# Altium PCB PCB_Poryecto0.PcbDoc (continued)
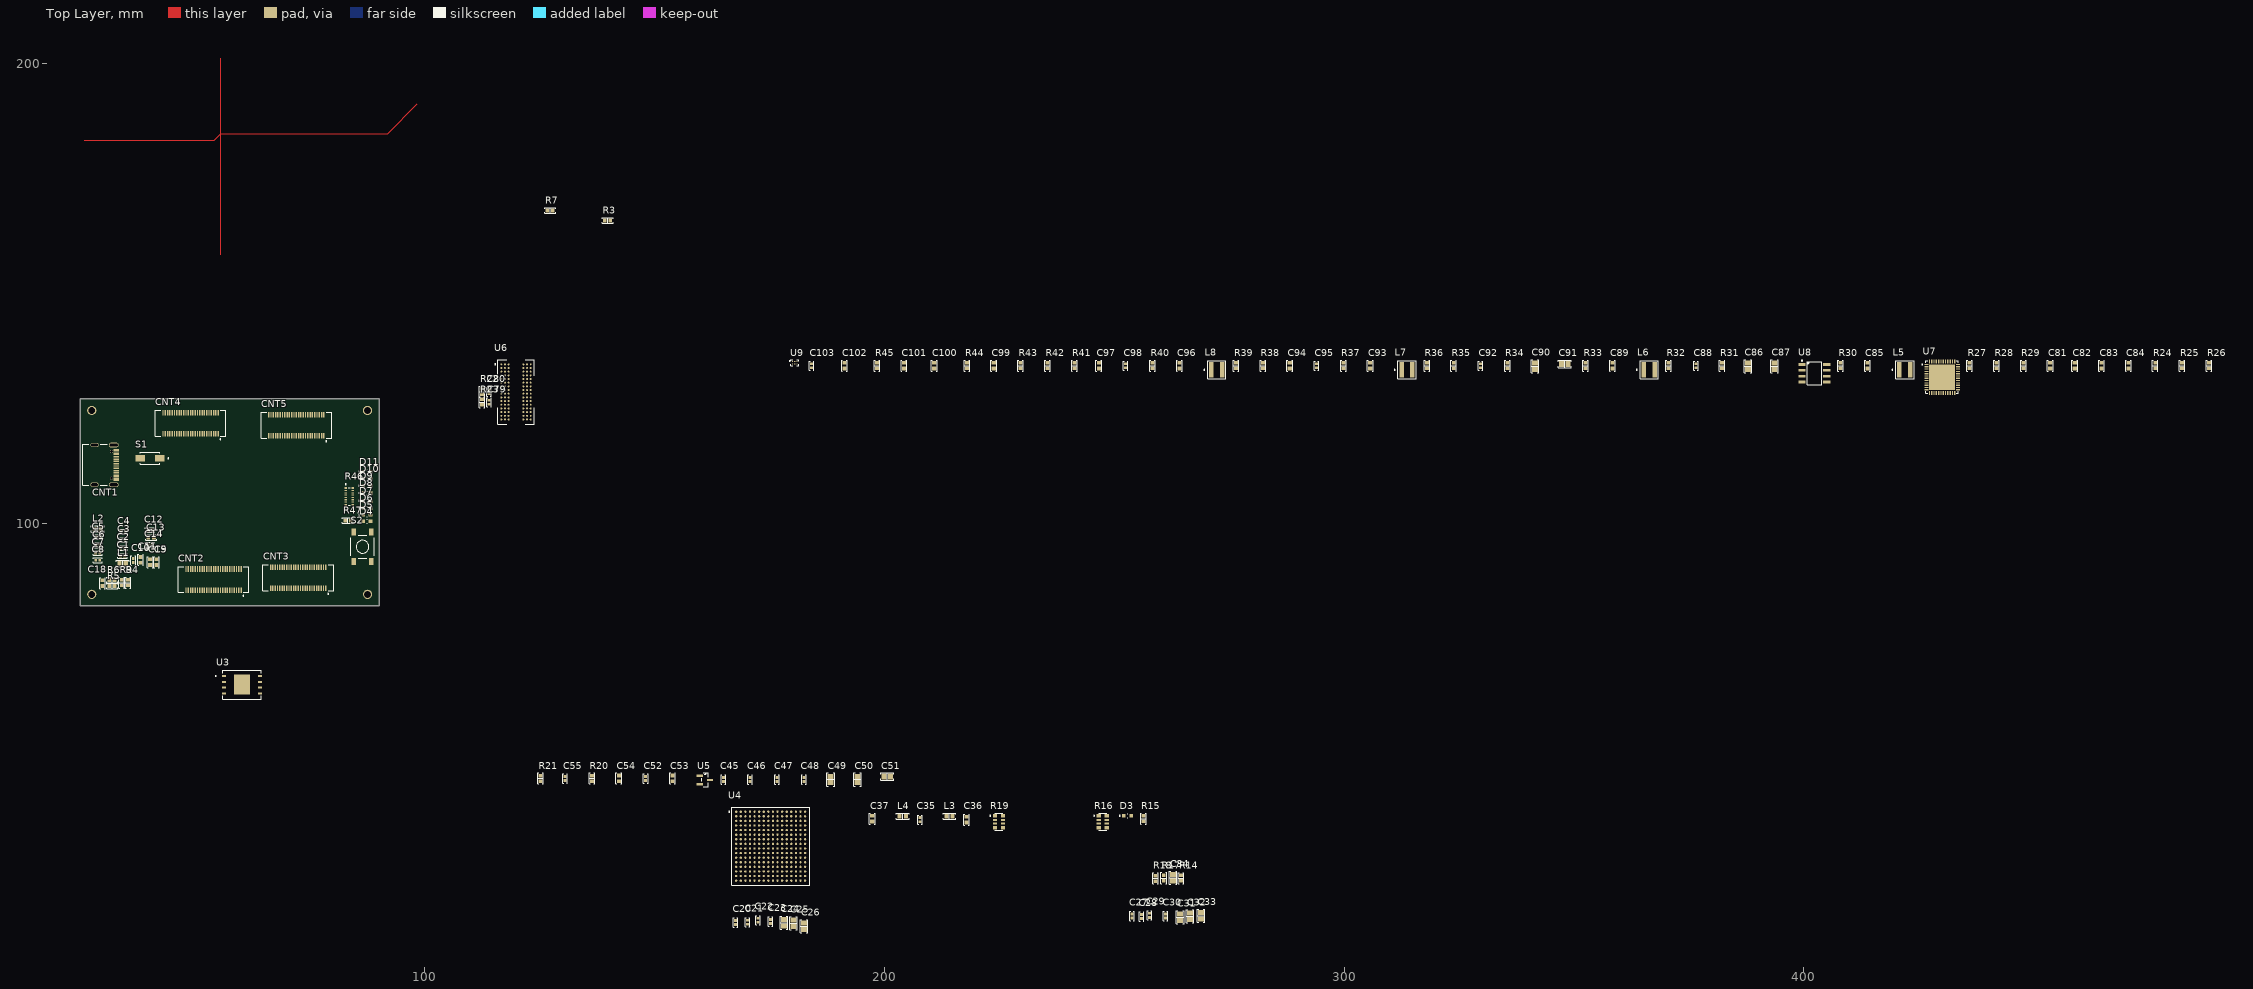
[diagram p0: Top Layer view]
## Footprints (in the part's own frame and the unit in brackets; to place one, negate y for a bottom-side part, rotate by r counter-clockwise, add the part's x,y. Pads: shape width x height; smd on the part's side, far side on the other; paste and mask are expansions set on the pad) (continued)
  silkscreen extent -9.1,-8.5 8.5,8.5, body extent -8.51,-8.49 8.49,8.51, height 1.4
CAP0402 [mm]
  rect 0.6x0.64 smd: 1(-0.44,0) 2(0.44,0)
  silkscreen extent -1,-0.5 1,0.5, body extent -0.5,-0.25 0.5,0.27, height 0.52
CAP0603 [mm]
  rect 0.8x0.9 smd: 1(-0.625,0) 2(0.625,0)
  silkscreen extent -1.2,-0.63 1.2,0.63, body extent -0.77,-0.41 0.83,0.41, height 0.82
CAP0805 [mm]
  rect 1.1x1.3 smd: 1(-0.7,0) 2(0.7,0)
  silkscreen extent -1.43,-0.82 1.43,0.82, body extent -1,-0.64 1,0.64, height 1.27
CAP1206 [mm]
  rect 1.3x1.8 smd: 1(-1.45,0) 2(1.45,0)
  silkscreen extent -2.37,-1.12 2.37,1.12, body extent -1.6,-0.8 1.6,0.8, height 0.8
DFN-8 [mm]
  rect 0.84x0.26 smd: 1(-1.435,0.75) 2(-1.435,0.25) 3(-1.435,-0.25) 4(-1.435,-0.75) 5(1.435,-0.75) 6(1.435,-0.25) 7(1.435,0.25) 8(1.435,0.75)
  rect 1.7x1.525 smd paste-0.312: 5(0,0)
  silkscreen extent -2.63,-1.2 1.5,1.2, body extent -1.52,-1 1.53,1, height 1
"Diode SMA-2" [mm]
  rect 2.12x1.5 smd: A(2.115,0) C(-2.115,0)
  silkscreen extent -4.1,-1.28 2.16,1.28, body extent -2.57,-1.28 2.57,1.28, height 2.5
FBGA-96 [mm]
  round 0.43 smd: A1(-3.2,6) A2(-2.4,6) A3(-1.6,6) A7(1.6,6) A8(2.4,6) A9(3.2,6) B1(-3.2,5.2) B2(-2.4,5.2) B3(-1.6,5.2) B7(1.6,5.2) B8(2.4,5.2) B9(3.2,5.2) C1(-3.2,4.4) C2(-2.4,4.4) C3(-1.6,4.4) C7(1.6,4.4) C8(2.4,4.4) C9(3.2,4.4) D1(-3.2,3.6) D2(-2.4,3.6) D3(-1.6,3.6) D7(1.6,3.6) D8(2.4,3.6) D9(3.2,3.6) E1(-3.2,2.8) E2(-2.4,2.8) E3(-1.6,2.8) E7(1.6,2.8) E8(2.4,2.8) E9(3.2,2.8) F1(-3.2,2) F2(-2.4,2) F3(-1.6,2) F7(1.6,2) F8(2.4,2) F9(3.2,2) G1(-3.2,1.2) G2(-2.4,1.2) G3(-1.6,1.2) G7(1.6,1.2) G8(2.4,1.2) G9(3.2,1.2) H1(-3.2,0.4) H2(-2.4,0.4) H3(-1.6,0.4) H7(1.6,0.4) H8(2.4,0.4) H9(3.2,0.4) J1(-3.2,-0.4) J2(-2.4,-0.4) J3(-1.6,-0.4) J7(1.6,-0.4) J8(2.4,-0.4) J9(3.2,-0.4) K1(-3.2,-1.2) K2(-2.4,-1.2) K3(-1.6,-1.2) K7(1.6,-1.2) K8(2.4,-1.2) K9(3.2,-1.2) L1(-3.2,-2) L2(-2.4,-2) L3(-1.6,-2) L7(1.6,-2) L8(2.4,-2) L9(3.2,-2) M1(-3.2,-2.8) M2(-2.4,-2.8) M3(-1.6,-2.8) M7(1.6,-2.8) M8(2.4,-2.8) M9(3.2,-2.8) N1(-3.2,-3.6) N2(-2.4,-3.6) N3(-1.6,-3.6) N7(1.6,-3.6) N8(2.4,-3.6) N9(3.2,-3.6) P1(-3.2,-4.4) P2(-2.4,-4.4) P3(-1.6,-4.4) P7(1.6,-4.4) P8(2.4,-4.4) P9(3.2,-4.4) R1(-3.2,-5.2) R2(-2.4,-5.2) R3(-1.6,-5.2) R7(1.6,-5.2) R8(2.4,-5.2) R9(3.2,-5.2) T1(-3.2,-6) T2(-2.4,-6) T3(-1.6,-6) T7(1.6,-6) T8(2.4,-6) T9(3.2,-6)
  silkscreen extent -4.6,-7 4,7, body extent -4.5,-7 4.5,7, height 1.08
Fer0603 [mm]
  rect 0.9x1 smd: 1(-0.675,0) 2(0.675,0)
  silkscreen extent -1.4,-0.7 1.4,0.7, body extent -0.8,-0.41 0.8,0.41, height 0.82
IND1616-2.1mm [mm]
  rect 0.98x3.4 smd: 1(-1.185,0) 2(1.185,0)
  silkscreen extent -2.8,-2 2,2, body extent -2.02,-2.04 1.97,1.94, height 2.08
IND1616-3.1mm [mm]
  rect 0.98x3.4 smd: 1(-1.185,0) 2(1.185,0)
  silkscreen extent -2.8,-2 2,2, body extent -2,-2 2,2, height 3.04
LFCSP-48 [mm]
  rrect25% 0.86x0.27 smd: 1(-3.435,2.75) 2(-3.435,2.25) 3(-3.435,1.75) 4(-3.435,1.25) 5(-3.435,0.75) 6(-3.435,0.25) 7(-3.435,-0.25) 8(-3.435,-0.75) 9(-3.435,-1.25) 10(-3.435,-1.75) 11(-3.435,-2.25) 12(-3.435,-2.75) 25(3.435,-2.75) 26(3.435,-2.25) 27(3.435,-1.75) 28(3.435,-1.25) 29(3.435,-0.75) 30(3.435,-0.25) 31(3.435,0.25) 32(3.435,0.75) 33(3.435,1.25) 34(3.435,1.75) 35(3.435,2.25) 36(3.435,2.75)
  rrect25% 0.27x0.86 smd: 13(-2.75,-3.435) 14(-2.25,-3.435) 15(-1.75,-3.435) 16(-1.25,-3.435) 17(-0.75,-3.435) 18(-0.25,-3.435) 19(0.25,-3.435) 20(0.75,-3.435) 21(1.25,-3.435) 22(1.75,-3.435) 23(2.25,-3.435) 24(2.75,-3.435) 37(2.75,3.435) 38(2.25,3.435) 39(1.75,3.435) 40(1.25,3.435) 41(0.75,3.435) 42(0.25,3.435) 43(-0.25,3.435) 44(-0.75,3.435) 45(-1.25,3.435) 46(-1.75,3.435) 47(-2.25,3.435) 48(-2.75,3.435)
  rect 5.6x5.6 smd paste-4: 49(0,0)
  silkscreen extent -4.39,-3.55 3.55,3.55, body extent -3.5,-3.5 3.5,3.5, height 0.8
LQPF-64 [mm]
  rrect25% 1.56x0.28 smd: 1(-5.68,3.75) 2(-5.68,3.25) 3(-5.68,2.75) 4(-5.68,2.25) 5(-5.68,1.75) 6(-5.68,1.25) 7(-5.68,0.75) 8(-5.68,0.25) 9(-5.68,-0.25) 10(-5.68,-0.75) 11(-5.68,-1.25) 12(-5.68,-1.75) 13(-5.68,-2.25) 14(-5.68,-2.75) 15(-5.68,-3.25) 16(-5.68,-3.75) 33(5.68,-3.75) 34(5.68,-3.25) 35(5.68,-2.75) 36(5.68,-2.25) 37(5.68,-1.75) 38(5.68,-1.25) 39(5.68,-0.75) 40(5.68,-0.25) 41(5.68,0.25) 42(5.68,0.75) 43(5.68,1.25) 44(5.68,1.75) 45(5.68,2.25) 46(5.68,2.75) 47(5.68,3.25) 48(5.68,3.75)
  rrect25% 0.28x1.56 smd: 17(-3.75,-5.68) 18(-3.25,-5.68) 19(-2.75,-5.68) 20(-2.25,-5.68) 21(-1.75,-5.68) 22(-1.25,-5.68) 23(-0.75,-5.68) 24(-0.25,-5.68) 25(0.25,-5.68) 26(0.75,-5.68) 27(1.25,-5.68) 28(1.75,-5.68) 29(2.25,-5.68) 30(2.75,-5.68) 31(3.25,-5.68) 32(3.75,-5.68) 49(3.75,5.68) 50(3.25,5.68) 51(2.75,5.68) 52(2.25,5.68) 53(1.75,5.68) 54(1.25,5.68) 55(0.75,5.68) 56(0.25,5.68) 57(-0.25,5.68) 58(-0.75,5.68) 59(-1.25,5.68) 60(-1.75,5.68) 61(-2.25,5.68) 62(-2.75,5.68) 63(-3.25,5.68) 64(-3.75,5.68)
  silkscreen extent -7.44,-5.05 5.05,5.05, body extent -6,-6 6,6, height 1.61
"Push Button" [mm]
  rect 1.6x1 smd: 1(-3.2,1.9) 2(3.2,1.9) 3(-3.2,-1.9) 4(3.2,-1.9)
  silkscreen extent -2.55,-2.55 2.55,2.55, body extent -3.2,-2.55 3.2,2.55, height 1.6
RES0603 [mm]
  rect 0.75x0.85 smd: 1(-0.6,0) 2(0.6,0)
  silkscreen extent -1.2,-0.6 1.2,0.6, body extent -0.77,-0.39 0.83,0.41, height 0.45
SOD-523 [mm]
  rrect50% 0.54x0.4 smd: A(0.78,0) K(-0.78,0)
  silkscreen extent -1.8,-0.52 0.63,0.52, body extent -0.8,-0.4 0.8,0.4, height 0.65
SOIC8 [mm]
  rect 1.55x0.6 smd: 1(-2.7,1.905) 2(-2.7,0.635) 3(-2.7,-0.635) 4(-2.7,-1.905) 5(2.7,-1.905) 6(2.7,-0.635) 7(2.7,0.635) 8(2.7,1.905)
  silkscreen extent -2.82,-2.5 1.6,2.88, body extent -3,-2.5 3,2.5, height 1.75
SOT23-3 [mil]
  rect 52x22 smd: 1(-43,37) 2(-43,-37)
  rect 52x20 smd: 3(43,0)
  silkscreen extent -28,-60 28,60, body extent -47,-57 47,57, height 37
"UFBGA-6 (VCSP50L1)" [mm]
  round 0.25 smd mask+0.05: A1(-0.501,0.265) A2(-0.004,0.265) A3(0.494,0.265) B1(-0.501,-0.26) B2(-0.004,-0.26) B3(0.494,-0.26)
  silkscreen extent -1.19,-0.62 0.84,0.62, body extent -0.75,-0.5 0.75,0.5, height 0.54
"USB-C 2.0 24 PINS (16+8 DUMMY)" [mm]
  rect 0.6x1.14 smd: A1_B12(-3.2,4.75) A4_B9(-2.4,4.75) B1_A12(3.2,4.75) B4_A9(2.4,4.75)
  rect 0.3x1.14 smd: A5(-1.25,4.75) A6(-0.25,4.75) A7(0.25,4.75) A8(1.25,4.75) B5(1.75,4.75) B6(0.75,4.75) B7(-0.75,4.75) B8(-1.75,4.75)
  oval 1.05x2.1 hole 0.6 slot 1.7 at 90 deg: SH1(-4.32,4.18) SH2(4.32,4.18)
  oval 0.9x1.8 hole 0.6 slot 1.4 at 90 deg: SH3(-4.32,0) SH4(4.32,0)
  round 0.65 hole 0.65 unplated: ""(-2.89,3.68) ""(2.89,3.68)
  silkscreen extent -4.47,-2.6 4.47,2.81, body extent -4.44,-2.57 4.5,5.03, height 3.25
WSON-8 [mil]
  rect 34x17 smd paste+0 mask+0: 1(-154.5,75) 2(-154.5,25) 3(-154.5,-25) 4(-154.5,-75) 5(154.5,-75) 6(154.5,-25) 7(154.5,25) 8(154.5,75)
  rect 136x171 smd paste+0 mask+0: 9(0,0)
  silkscreen extent -227,-125 164,125, body extent -158,-118 158,118, height 30
XTAL_ABM8G [mm] "XTAL"
  rect 1.4x1.2 smd: 1(-1.1,0.85) 2(-1.1,-0.85) 2(1.1,0.85) 3(1.1,-0.85)
  silkscreen extent -1.2,-1.25 0.08,2.3, body extent -1.63,-1.27 1.57,1.23, height 1

## Part data
C1 C2 C5 C6 C12 C20 C21 C22 C23 C27 C28 C29 C30 C38 C39 C40 C41 C45 C46 C47 C48 C56 C57 C58 C62 C64 C65 C66 C70 C71 C72 C73 C74 C75 C76 C77 C78: library part C0402C474K8RAC, "CAP CER 0.47uF 16V X7R 0402 10%", Manufacturer=Kemet, PartNumber=C0603C474K4RAC, Tolerance=10%, Voltage="10 V", ComponentLink1Description=DataSheet, ComponentLink1URL=https://content.kemet.com/datasheets/KEM_C1002_X7R_SMD.pdf, ComponentLink2Description=DigiKey, ComponentLink2URL=https://www.digikey.com/en/products/filter/ceramic-capacitors/60?s=N4IgTCBcDaIMIAYAsCxyQdiQaQBwCUBBOEAXQF8g, ComponentLink3Description=ProductPage, ComponentLink3URL=https://www.kemet.com/en/us/product/C0805C474K4RACTU.html, Size=0402
C3 C4 C7 C8 C14 C35: library part C0402C475M9PAC, "CAP CER 4.7uF 6.3V X5R 0402 10%", Manufacturer=Kemet, Tolerance=10%, Voltage=16V, ComponentLink1Description=DataSheet, ComponentLink1URL=https://content.kemet.com/datasheets/KEM_C1002_X7R_SMD.pdf, ComponentLink2Description=DigiKey, ComponentLink2URL=https://www.digikey.com/en/products/filter/ceramic-capacitors/60?s=N4IgTCBcDaIMIAYAsCxyQdgKwFsCcADgIYDGIAugL5A, ComponentLink3Description=ProdructPage, ComponentLink3URL=https://www.kemet.com/en/us/search.html?q=C0402C475M9PAC, PartNumber=C0402C475M9PAC, Size=0805
C9: library part C0603C332K5RAC7867, "3.3 uF ±10% 50V Ceramic Capacitor X7R 0603 (1608 Metric)", Voltage=50V, ComponentLink1Description=DataSheet, ComponentLink1URL=https://content.kemet.com/datasheets/KEM_C1002_X7R_SMD.pdf, ComponentLink2Description=DigiKey, ComponentLink2URL=https://www.digikey.com/en/products/detail/kemet/C0603C332K5RAC7867/411085?s=N4IgTCBcDaIMIAYBsCDMdWrAaQKwCUBBOAdgA4kSQBdAXyA, PartNumber=C0603C332K5RAC7867, Size=0603, Variation=10%
C10 C19 C52 C103: library part C0402C104K4RAC, "CAP CER 0.1uF 16V X7R 0402 10%", Manufactuer=Kemet, Tolerance=10%, Voltage=16V, ComponentLink1Description=DataSheet, ComponentLink1URL=https://content.kemet.com/datasheets/KEM_C1002_X7R_SMD.pdf, ComponentLink2Description=DigiKey, ComponentLink2URL=https://www.digikey.com/en/products/filter/ceramic-capacitors/60?s=N4IgTCBcDaIMIAYBsCDMcCMCAsBpbASgIJwgC6AvkA, PartNumber=C0402C104K4RAC, Size=0403
C11 C18 C36: library part C0603C474K4RAC, "CAP CER 0.47uF 16V X7R 0603 10%", Manufacturer=Kemet, Tolerance=10%, Voltage="16 V", ComponentLink1Description=DataSheet, ComponentLink1URL=https://content.kemet.com/datasheets/KEM_C1002_X7R_SMD.pdf, ComponentLink2Description=DigiKey, ComponentLink2URL=https://www.digikey.com/es/products/detail/kemet/C0805C474K4RAC7800/2212885?s=N4IgTCBcDaIMIAYAcCCscAsB2DBpDASgIJwAqAqiALoC%2BQA, ComponentLink3Description=ProductPage, ComponentLink3URL=https://www.kemet.com/en/us/product/C0805C474K4RACTU.html, PartNumber=C0603C474K4RAC, Size=0603
C13 C15 C37 C54 C85 C89 C93 C96: library part C0603C104K4RAC7867, "CAP CER 0.1UF 16V X7R 0603", Voltage=50V, ComponentLink1Description=DataSheet, ComponentLink1URL=https://content.kemet.com/datasheets/KEM_C1002_X7R_SMD.pdf, ComponentLink2Description=DigiKey, ComponentLink2URL=https://www.digikey.com/en/products/detail/kemet/C0603C104K4RAC7867/411095, Size=0603
C16 C17: library part C0402C270K5RAC, "CAP CER 27pF 50V X7R 0402 10%", Manufacturer=Kemet, Tolerance=10%, Voltage=50V, ComponentLink1Description=DataSheet, ComponentLink1URL=https://content.kemet.com/datasheets/KEM_C1002_X7R_SMD.pdf, ComponentLink2Description=DigiKey, ComponentLink2URL=https://www.digikey.com/en/products/detail/kemet/C0603C270K5RAC7867/9923545?s=N4IgTCBcDaIMIAYBsCDMcwHYEGkCsASgIJyYAcSmIAugL5A, PartNumber=C0402C270K5RAC, Size=0402
C24 C25 C31 C32 C42 C43 C49 C50 C59 C60 C67 C68: library part C0805C475K4RACTU, "SMD Comm X7R, Ceramic, 4.7 uF, 10%, 16 VDC, X7R, SMD, MLCC, Temperature Stable, Class II, 0805", Capacitance="4.7 uF", Voltage=16V, ComponentLink1Description=DataSheet, ComponentLink1URL=https://content.kemet.com/datasheets/KEM_C1002_X7R_SMD.pdf, ComponentLink2Description=DigiKey, ComponentLink2URL=https://www.digikey.com/es/products/detail/kemet/C0805C475K4RAC7800/3317621?s=N4IgTCBcDaIMIAYAcCCscAsB2VBpDASgIJwAqAqiALoC%2BQA, ComponentLink3Description=ProdructPage, ComponentLink3URL=https://www.kemet.com/en/us/product/C0805C475K4RACTU.html, PartNumber=C0805C475K4RACTU, Size=0805, Variation="+/- 10%"
C26 C33 C34 C44 C51 C63 C69 C86 C87 C90 C91: library part CL21A476MQYNNNE, "CAP CER 47uF 6.3V X5R 0805 20%", Manufacturer=Samsung, Tolerance=20%, Voltage=6.3V, ComponentLink1Description=DataSheet, ComponentLink1URL=https://mm.digikey.com/Volume0/opasdata/d220001/medias/docus/658/CL21A476MQYNNNE_Spec.pdf, ComponentLink2Description=DigiKey, ComponentLink2URL=https://www.digikey.com/en/products/detail/samsung-electro-mechanics/CL21A476MQYNNNE/3887510, PartNumber=CL21A476MQYNNNE, Size=0805
C53 C81 C82 C83 C84 C99: library part C0603C106M9PAC7867, "CAP CER 10UF 6.3V X5R 0603", Voltage=6.3V, ComponentLink1Description=DataSheet, ComponentLink1URL=https://content.kemet.com/datasheets/KEM_C1006_X5R_SMD.pdf, ComponentLink2Description=DigiKey, ComponentLink2URL=https://www.digikey.com/en/products/detail/kemet/C0603C106M9PAC7867/1950664, Size=0603
C55: library part C0402C102K4RAC, "CAP CER 1nF 16V X7R 0402 10%", Manufactuer=Kemet, Tolerance=10%, Voltage=16V, ComponentLink1Description=DataSheet, ComponentLink1URL=https://content.kemet.com/datasheets/KEM_C1002_X7R_SMD.pdf, ComponentLink2Description=DigiKey, ComponentLink2URL=https://www.digikey.com/en/products/filter/ceramic-capacitors/60?s=N4IgTCBcDaIMIAYBsCDMcCMCwGkAsASgIJwgC6AvkA, PartNumber=C0402C102K4RAC, Size=0402
C61: library part C1206C107M9PAC, "CAP CER 100uF 6.3V X5R 1206 20%", Manufacturer=Kemet, Tolerance=20%, Voltage=6.3V, ComponentLink1Description=DataSheet, ComponentLink1URL=https://www.digikey.com/en/products/detail/kemet/C1206C107M9PAC7210/12700784, ComponentLink2Description=DigiKey, ComponentLink2URL=https://www.digikey.com/en/products/detail/kemet/C1206C107M9PAC7210/12700784, PartNumber=C1206C107M9PAC, Size=1206
C79: library part C0402C105K4RAC, "CAP CER 1uF 16V X7R 0402 10%", Manufacturer=Kemet, Tolerance=10%, Voltage=16V, ComponentLink1Description=DataSheet, ComponentLink1URL=https://content.kemet.com/datasheets/KEM_C1002_X7R_SMD.pdf, ComponentLink2Description=DigiKey, ComponentLink2URL=https://www.digikey.com/en/products/detail/kemet/C0603C105K4RAC7867/2199788, PartNumber=C0402C105K4RAC, Size=0402
C80: library part C0402C103K4RAC, "CAP CER 10nF 16V X7R 0402 10%", Manufactuer=Kemet, Tolerance=10%, Voltage=16V, ComponentLink1Description=DataSheet, ComponentLink1URL=https://content.kemet.com/datasheets/KEM_C1002_X7R_SMD.pdf, ComponentLink2Description=DigiKey, ComponentLink2URL=https://www.digikey.com/en/products/detail/kemet/C0603C103K4RAC7867/2199755?s=N4IgTCBcDaIMIAYBsCDMcCMaDSAWASgIJwDsAHEiSALoC%2BQA, PartNumber=C0402C103K4RAC, Size=0402
C88 C92 C95 C98: library part C0402C272K5RAC, "CAP CER 2.7nF 50V X7R 0402 10%", Manufacturer=Kemet, Tolerance=10%, Voltage=50V, ComponentLink1Description=DataSheet, ComponentLink1URL=https://content.kemet.com/datasheets/KEM_C1002_X7R_SMD.pdf, ComponentLink2Description=DigiKey, ComponentLink2URL=https://www.digikey.com/en/products/detail/kemet/C0603C272K5RAC7867/1933616, PartNumber=C0402C272K5RAC, Size=0402
C94 C97: library part GRM188R60J226MEA0D, "CAP CER 22UF 6.3V X5R 0603", Voltage=6.3V, ComponentLink1Description=DataSheet, ComponentLink1URL=https://search.murata.co.jp/Ceramy/image/img/A01X/G101/ENG/GRM188R60J226MEA0-01.pdf, ComponentLink2Description=DigiKey, ComponentLink2URL=https://www.digikey.com/en/products/detail/murata-electronics/GRM188R60J226MEA0D/4280542, Size=0603
C100 C101 C102: library part C0603C105K4RAC7867, "CAP CER 1UF 16V X7R 0603", Voltage=16V, ComponentLink1Description=DataSheet, ComponentLink1URL=https://content.kemet.com/datasheets/KEM_C1002_X7R_SMD.pdf, ComponentLink2Description=DigiKey, ComponentLink2URL=https://www.digikey.com/en/products/detail/kemet/C0603C105K4RAC7867/2199788, Size=0603
CNT1: "CONN USB2.0, TYP C, 24 PINS (16+8 DUMMY), SMD, RIGHT ANGLE", ComponentLink1Description=DigiKey, ComponentLink1URL=https://www.digikey.com/en/products/detail/amphenol-cs-commercial-products/12402012E212A/13683192, ComponentLink2Description=DataSheet, ComponentLink2URL=https://mm.digikey.com/Volume0/opasdata/d220001/medias/docus/2614/C12402012-4.pdf, Pins="24 (16+8 DUMMY)", Type="C 2.0"
CNT2 CNT3 CNT4 CNT5: "CONN RCPT 50POS SMD GOLD", Manufacturer=Molex, ComponentLink1Description=DigiKey, ComponentLink1URL=https://www.digikey.com/es/products/detail/molex/0528850574/3197085?s=N4IgTCBcDaIAQFYwA5kIAwIOwBYQF0BfIA, ComponentLink2Description=DataSheet, ComponentLink2URL=https://www.molex.com/en-us/products/part-detail/528850574?display=pdf, Gender=Female, PinCount=50
D1 D2: "0.9pF 3.6V ±30kV ESD protection diode with 6.8V 16A TLP clamping for USB 2.0", Manufacturer="Texas Instruments", Package=SOD-523, ComponentLink1Description=ProductPage, ComponentLink1URL=https://www.ti.com/product/ESD321, ComponentLink2Description=DataSheet, ComponentLink2URL=https://www.ti.com/lit/ds/symlink/esd321.pdf?ts=1717079562669&ref_url=https%253A%252F%252Fwww.ti.com%252Fproduct%252FESD321%253FkeyMatch%253DESD321%2526tisearch%253Dsearch-everything%2526usecase%253DGPN-ALT, ComponentLink3Description=DigyKey, ComponentLink3URL=https://www.digikey.com/en/products/detail/texas-instruments/ESD321DYAR/17394968, PartNumber=ESD321
D3 D4 D5 D6 D7 D8 D9 D10 D11: library part LED_BLUE_0603, "LED blue diffused 0603 SMD", Colour=Blue, ComponentLink1Description=DataSheet, ComponentLink1URL=https://www.we-online.com/components/products/datasheet/150060BS55040.pdf, ComponentLink2Description=DigiKey, ComponentLink2URL=https://www.digikey.com/es/products/detail/w%C3%BCrth-elektronik/150060BS55040/8557178?s=N4IgTCBcDaIDoBcCMBWADGgbGgQgZRXQBY0QBdAXyA, Size=0603
L1 L2 L3 L4: "FERRITE BEAD 650 OHM 0603 1LN 0603", Current="300 mA", ComponentLink1Description=DataSheet, ComponentLink1URL=https://www.laird.com/sites/default/files/hz0603c651r-10-datasheet.pdf, ComponentLink2Description=DigiKey, ComponentLink2URL=https://www.digikey.com/es/products/detail/laird-signal-integrity-products/HZ0603C651R-10/806620?s=N4IgTCBcDaIBIC0AMA2JBmAwigrARgCUBaPJEAXQF8g, DCR="0.6 Ohm", PartNumber=HZ0603C651R-10, Size=0603, Z@100MHz="650 Ohms"
L5 L8: library part XFL4020-332, "FIXED IND 3.3UH 5.2A 38.3MOHM SM", ComponentLink1Description=DigiKey, ComponentLink1URL=https://www.digikey.com/en/products/detail/coilcraft/XFL4020-332MEC/21381630?s=N4IgTCBcDaIBoDEAyAWADGNBaAzDiAugL5A, ComponentLink2Description=DataSheet, ComponentLink2URL=https://www.coilcraft.com/getmedia/50632d43-da1b-4cdb-8ab4-3029cab51df3/xfl4020.pdf, Size=1616
L6: library part XFL4020-152, "FIXED IND 1.5UH 9.1A 15.8MOHM SM", ComponentLink1Description=DigiKey, ComponentLink1URL=https://www.digikey.at/en/products/detail/coilcraft/XFL4020-152MEC/21387736, ComponentLink2Description=DataSheet, ComponentLink2URL=https://www.coilcraft.com/getmedia/50632d43-da1b-4cdb-8ab4-3029cab51df3/xfl4020.pdf, Size=1616
L7: library part XAL4030-682MEC, "FIXED IND 6.8UH 3.9A 74.1MOHM SM", ComponentLink1Description=DigiKey, ComponentLink1URL=https://www.digikey.com/en/products/detail/coilcraft/XAL4030-682MEC/21381592, ComponentLink2Description=DataSheet, ComponentLink2URL=https://www.coilcraft.com/en-us/files/datasheet/XAL40xx, Size=1616
R1 R2: library part CRCW06035K10FKEA, "RES SMD 5.1K OHM 1% 1/10W 0603", ComponentLink1Description=DataSheet, ComponentLink1URL=https://www.vishay.com/docs/20035/dcrcwe3.pdf, ComponentLink2Description=DigiKey, ComponentLink2URL=https://www.digikey.com/es/products/detail/vishay-dale/crcw06035k10fkea/1174748, Size=0603
R3 R4 R5 R6 R10 R28 R29 R34 R36 R39 R41 R42 R47: library part CRCW060310K0FKEA, "RES SMD 10K OHM 1% 1/10W 0603", ComponentLink1Description=DataSheet, ComponentLink1URL=https://www.vishay.com/docs/20035/dcrcwe3.pdf, ComponentLink2Description=DigiKey, ComponentLink2URL=https://www.digikey.com/en/products/detail/vishay-dale/CRCW060310K0FKEA/1174782, Size=0603
R7: library part CRCW060312K0FKEA, "RES SMD 12K OHM 1% 1/10W 0603", ComponentLink1Description=DataSheet, ComponentLink1URL=https://www.vishay.com/docs/20035/dcrcwe3.pdf, ComponentLink2Description=DigiKey, ComponentLink2URL=https://www.digikey.com/en/products/detail/vishay-dale/CRCW060312K0FKEA/1174790, Size=0603
R8 R11 R12 R13 R17 R18: library part CRCW06034K70FKEA, "RES SMD 4.7K OHM 1% 1/10W 0603", Manufacturer=Vishay, Power="1/10 W", ComponentLink1Description=DataSheet, ComponentLink1URL=https://www.vishay.com/docs/20035/dcrcwe3.pdf, ComponentLink2Description=DigiKey, ComponentLink2URL=https://www.digikey.com/en/products/detail/vishay-dale/CRCW06034K70FKEA/1174744, Size=0603
R9: library part CRCW06032K00FKEA, "RES SMD 2K OHM 1% 1/10W 0603", Manufacturer=Vishay, Power="0.1 W", ComponentLink1Description=DataSheet, ComponentLink1URL=https://www.vishay.com/docs/20035/dcrcwe3.pdf, ComponentLink2Description=DigiKey, ComponentLink2URL=https://www.digikey.com/en/products/detail/vishay-dale/CRCW06032K00FKEA/1174700, PartNumber=CRCW06032K00FKEA, Size=0603
R14: library part CRCW0603200RFKEA, "RES SMD 200 OHM 1% 1/10W 0603", Manufacturer=Vishay, Power="0.1 W", Tolerance=1%, ComponentLink1Description=DataSheet, ComponentLink1URL=https://www.vishay.com/docs/20035/dcrcwe3.pdf, ComponentLink2Description=DigiKey, ComponentLink2URL=https://www.digikey.com/es/products/detail/vishay-dale/CRCW0603200RFKEA/1174586?s=N4IgTCBcDaIMICU4HUAMA2VBmMrUIDEBpAUQEEQBdAXyA, PartNumber=CRCW0603200RFKEA, Size=0603
R15: library part CRCW0603165RFKEA, "RES SMD 165 OHM 1% 1/10W 0603", Manufacturer=Vishay, Power="0.1 W", ComponentLink1Description=DataSheet, ComponentLink1URL=https://www.vishay.com/docs/20035/dcrcwe3.pdf, ComponentLink2Description=DigiKey, ComponentLink2URL=https://www.digikey.com/es/products/detail/vishay-dale/CRCW0603165RFKEA/1174577?s=N4IgTCBcDaIMICU4HUAMA2VBmAjOgrAgGIDSAogIIgC6AvkA, Size=0603
R16 R19: library part EXB-38V101JV, "RES ARRAY 4 RES 100 OHM 1206", ComponentLink1Description=DigiKey, ComponentLink1URL=https://www.digikey.com/en/products/detail/panasonic-electronic-components/EXB-38V101JV/256519?s=N4IgTCBcDaIKIA0BCBaAzADgGoEYAMOAUliALoC%2BQA, ComponentLink2Description=DataSheet, ComponentLink2URL=https://industrial.panasonic.com/cdbs/www-data/pdf/AOC0000/AOC0000C14.pdf, Elements=4, Size=1206
R20 R21: library part CRCW060378R7FKEA, "RES SMD 78.7 OHM 1% 1/10W 0603", Manufacturer=Vishay, Power="0.1 W", Tolerance="1 %", ComponentLink1Description=DataSheet, ComponentLink1URL=https://www.vishay.com/docs/20035/dcrcwe3.pdf, ComponentLink2Description=DigiKey, ComponentLink2URL=https://www.digikey.com/es/products/detail/vishay-dale/CRCW060378R7FKEA/1174542, Size=0603
R22 R23 R25: library part CRCW06031K00FKEA, "RES SMD 1K OHM 1% 1/10W 0603", ComponentLink1Description=DigiKey, ComponentLink1URL=https://www.digikey.com/es/products/detail/vishay-dale/CRCW06031K00FKEA/1174668, ComponentLink2Description=DataSheet, ComponentLink2URL=https://www.vishay.com/docs/20035/dcrcwe3.pdf, Size=0603
R24 R40: library part CRCW06036K65FKEA, "RES SMD 6.65K OHM 1% 1/10W 0603", ComponentLink1Description=DataSheet, ComponentLink1URL=https://www.vishay.com/docs/20035/dcrcwe3.pdf, ComponentLink2Description=DigiKey, ComponentLink2URL=https://www.digikey.com/en/products/detail/vishay-dale/CRCW06036K65FKEA/1174762, Size=0603
R26: library part CRCW06039K31FKEA, "RES SMD 9.31K OHM 1% 1/10W 0603", ComponentLink1Description=DataSheet, ComponentLink1URL=https://www.vishay.com/docs/20035/dcrcwe3.pdf, ComponentLink2Description=DigiKey, ComponentLink2URL=https://www.digikey.com/es/products/detail/vishay-dale/CRCW06039K31FKEA/1174779, Size=0603
R27 R37: library part CRCW060312K7FKEA, "RES SMD 12.7K OHM 1% 1/10W 0603", ComponentLink1Description=DataSheet, ComponentLink1URL=https://www.vishay.com/docs/20035/dcrcwe3.pdf, ComponentLink2Description=DigiKey, ComponentLink2URL=https://www.digikey.com/en/products/detail/vishay-dale/CRCW060312K7FKEA/1174793, Size=0603
R30 R45: library part CRCW060331K6FKEA, "RES SMD 31.6K OHM 1% 1/10W 0603", ComponentLink1Description=DataSheet, ComponentLink1URL=https://www.vishay.com/docs/20035/dcrcwe3.pdf, ComponentLink2Description=DigiKey, ComponentLink2URL=https://www.digikey.com/en/products/detail/vishay-dale/CRCW060331K6FKEA/1174837, Size=0603
R31 R38: library part CRCW060310K2FKEA, "RES SMD 10.2K OHM 1% 1/10W 0603", ComponentLink1Description=DataSheet, ComponentLink1URL=https://www.vishay.com/docs/20035/dcrcwe3.pdf, ComponentLink2Description=DigiKey, ComponentLink2URL=https://www.digikey.com/en/products/detail/vishay-dale/CRCW060310K2FKEA/1174783, Size=0603
R32: library part CRCW060315K0FKEA, "RES SMD 15K OHM 1% 1/10W 0603", ComponentLink1Description=DataSheet, ComponentLink1URL=https://www.vishay.com/docs/20035/dcrcwe3.pdf, ComponentLink2Description=DigiKey, ComponentLink2URL=https://www.digikey.com/en/products/detail/vishay-dale/CRCW060315K0FKEA/1174800, Size=0603
R33: library part CRCW06032K49FKEA, "RES SMD 2.49K OHM 1% 1/10W 0603", ComponentLink1Description=DataSheet, ComponentLink1URL=https://www.vishay.com/docs/20035/dcrcwe3.pdf, ComponentLink2Description=DigiKey, ComponentLink2URL=https://www.digikey.com/en/products/detail/vishay-dale/CRCW06032K49FKEA/1174711, Size=0603
R35: library part CRCW060347K0FKEA, "RES SMD 47K OHM 1% 1/10W 0603", ComponentLink1Description=DataSheet, ComponentLink1URL=https://www.vishay.com/docs/20035/dcrcwe3.pdf, ComponentLink2Description=DigiKey, ComponentLink2URL=https://www.digikey.com/es/products/detail/vishay-dale/CRCW060347K0FKEA/1174858, Size=0603
R43: library part CRCW06034K99FKEA, "RES SMD 4.99K OHM 1% 1/10W 0603", ComponentLink1Description=DataSheet, ComponentLink1URL=https://www.vishay.com/docs/20035/dcrcwe3.pdf, ComponentLink2Description=DigiKey, ComponentLink2URL=https://www.digikey.com/en/products/detail/vishay-dale/CRCW06034K99FKEA/1174747, Size=0603
R44: library part CRCW06031K91FKEA, "RES SMD 1.91K OHM 1% 1/10W 0603", ComponentLink1Description=DataSheet, ComponentLink1URL=https://www.vishay.com/docs/20035/dcrcwe3.pdf, ComponentLink2Description=Digikey, ComponentLink2URL=https://www.digikey.com/en/products/detail/vishay-dale/CRCW06031K91FKEA/1174698, Size=0603
R46: library part EXB-2HV331JV, "RES ARRAY 8 RES 330 OHM 1506", ComponentLink1Description=DigiKey, ComponentLink1URL=https://www.digikey.com/en/products/detail/panasonic-electronic-components/EXB-2HV331JV/285313?s=N4IgTCBcDaIKIA0BCBaMAJAagZmwRgClMQBdAXyA, ComponentLink2Description=DataSheet, ComponentLink2URL=https://industrial.panasonic.com/cdbs/www-data/pdf/AOC0000/AOC0000C14.pdf, Elements=8, Size=1506
R48: library part CRCW0603240RFKEA, "RES SMD 240 OHM 1% 1/10W 0603", Manufacturer=Vishay, Power="0.1 W", Tolerance=1%, ComponentLink1Description=DataSheet, ComponentLink1URL=https://www.vishay.com/docs/20035/dcrcwe3.pdf, ComponentLink2Description=DigiKey, ComponentLink2URL=https://www.digikey.com/en/products/detail/vishay-dale/CRCW0603240RFKEA/1174595, PartNumber=CRCW0603240RFKEA, Size=0603
S1: "Diode schottky 40V 3A", Forward Current=3A, Forward Voltage Drop=0.63, Manufacturer="SMC Diode Solutions", Package=SMA-2, Peak Reverse Voltage=40V, ComponentLink1Description=DigiKey, ComponentLink1URL=https://www.digikey.com/en/products/detail/smc-diode-solutions/SK34A/6022681, ComponentLink2Description=DataSheet, ComponentLink2URL=https://www.smc-diodes.com/propdf/SK34A%20N0103%20REV.C.pdf, PartNumber=SK34A
S2: "SWITCH TACTILE SPST-NO 0.05A 12V", DataSheet=https://www.ckswitches.com/media/2780/pts526.pdf, DigiKey=https://www.digikey.com/es/products/detail/c-k/PTS526-SK15-SMTR2-LFS/10056626
U1: "Dual High Speed USB to Multipurpose UART/FIFO IC", Manufacturer="FTDI Chip", Package=LQFP-64, ComponentLink1Description=DataSheet, ComponentLink1URL=https://ftdichip.com/wp-content/uploads/2020/07/DS_FT2232H.pdf, ComponentLink2Description=DigiKey, ComponentLink2URL=https://www.digikey.com/en/products/detail/ftdi-future-technology-devices-international-ltd/FT2232HL-REEL/1986053, PartNumber=FT2232HL
U2: library part EEPROM, "2K Microwire Compatible Serial EEPROM", ComponentLink1Description=DataSheet, ComponentLink1URL=https://www.snapeda.com/parts/93C56BT-I/MC/Microchip/datasheet/
U3: "QSPINAND 4G-BIT FLASH MEMORY WITH DUAL/QUAD SPI BUFFER READ & SEQUENTIAL READ", ComponentLink1Description="Product Brief", ComponentLink1URL=https://www.winbond.com/hq/product/code-storage-flash-memory/qspinand-flash/?__locale=en&partNo=W25N04KV
U4: "FPGA"
U5: "Voltage Reference 1,5V", ComponentLink1Description=DataSheet, ComponentLink1URL=https://www.ti.com/lit/ds/symlink/ref3012.pdf?ts=1708128926119
U6: library part "DDR3 AS4C256M16D3LC", "256M x 16 bit DDR3L Synchronous DRAM (SDRAM)", ComponentLink1Description=DataSheet, ComponentLink1URL=https://www.alliancememory.com/wp-content/uploads/pdf/ddr3/AllianceMemory_4G_DDR3L_AS4C256M16D3LC_March2020_Rev1.0.pdf
U7: "5-Channel Integrated Power Solution with Quad / Buck Regulators and 200 mA LDO Regulator", ComponentLink1Description=DataSheet, ComponentLink1URL=https://www.analog.com/media/en/technical-documentation/data-sheets/adp5052.pdf
U8: "MOSFET 2N-CH 40V 6A 8SOIC"
U9: "Power Supply Selector Switch IC for SD Cards", Manufacturer=ROHM, Package=UFBGA-6, ComponentLink1Description=Productrpage, ComponentLink1URL=https://www.rohm.com/products/power-management/power-management-switch-ics/load-switch-ics/bd2204gul-product, ComponentLink2Description=DataSheet, ComponentLink2URL=https://fscdn.rohm.com/en/products/databook/datasheet/ic/power/power_switch/bd2204gul-e.pdf, ComponentLink3Description=DigiKey, ComponentLink3URL=https://www.digikey.com/en/products/detail/rohm-semiconductor/BD2204GUL-E2/5210337, PartNumber=BD2204GUL
XTAL1: library part XTAL_12MHz, "Crystal 12 MHz", Manufacturer=Abracom, ComponentLink1Description=DataDheet, ComponentLink1URL=https://www.snapeda.com/parts/ABM8G-16.000MHZ-B4Y-T/Abracon/datasheet/, Frequency="12 MHz", Series=ABM8G

## Free pads (board coordinates)
  round 2 hole 1.5: H(27.494,84.491) H(27.494,124.5) H(87.492,124.5) H(87.518,84.491)

## Nets (pads, with @x,y where several pads share a name; then routed paths per layer and width w, separated by ;. In a path a pad name is that pad's centre, name@x,y a point inside that pad or via, vN(x,y) a via of type N, cw(c..) or ccw(c..) an arc to the next point about the centre after c; other vN are vias at no path point)
0V75: C79.2 C80.2 R22.1 R23.2 U6.H1 U6.M8
100MHz: CNT4.43 U4.N14
+1V: C56.2 C57.2 C58.2 C59.2 C60.2 C61.2 C62.2 C63.2 C90.2 C91.2 R25.2 R33.2 R34.2 U4.E10 U4.F7 U4.F9 U4.F11 U4.G6 U4.H9 U4.J6 U4.K9 U4.L8 U7.21
+1V8: C64.2 C65.2 C66.2 C67.2 C68.2 C69.2 C94.2 C101.2 CNT4.14 CNT4.15 CNT4.33 R26.2 R37.2 R38.2 U4.G10 U4.J10 U4.K11 U4.L10 U7.8 U7.45 U9.A2
+1V8': C35.2 C99.2 L3.1 R43.2 R44.2 U7.6
+1V8_VCC_ADC: C36.2 C37.1 L3.2 U4.G8
+1V25_VREF_ADC: C53.2 C54.1 CNT4.37 U4.J8 U5.2
+1V35: C38.2 C39.2 C40.2 C41.2 C42.2 C43.2 C44.2 C70.2 C71.2 C72.2 C73.2 C74.2 C75.2 C76.2 C77.2 C78.2 C97.2 R22.2 R24.2 R40.2 R41.2 U4.A16 U4.B13 U4.C10 U4.E14 U4.H15 U4.J12 U6.A1 U6.A8 U6.B2 U6.C1 U6.C9 U6.D2 U6.D9 U6.E9 U6.F1 U6.G7 U6.H2 U6.H9 U6.K2 U6.K8 U6.N1 U6.N9 U6.R1 U6.R9 U7.16
+3V3: C10.2 C11.2 C15.2 C18.2 C19.2 C20.2 C21.2 C22.2 C23.2 C24.2 C25.2 C26.2 C27.2 C28.2 C29.2 C30.2 C31.2 C32.2 C33.2 C34.2 C52.2 C86.2 C87.2 C103.1 CNT2.7 CNT2.13 CNT2.19 CNT2.25 CNT2.26 CNT2.32 CNT2.38 CNT2.44 CNT3.7 CNT3.13 CNT3.19 CNT3.25 CNT3.26 CNT3.32 CNT3.38 CNT3.44 CNT4.7 CNT4.13 CNT4.19 CNT4.25 CNT4.26 CNT4.32 CNT4.38 CNT4.44 CNT5.7 CNT5.13 CNT5.19 CNT5.25 CNT5.26 CNT5.32 CNT5.38 CNT5.44 L1.1 L2.1 R3.2 R4.2 R5.2 R6.2 R11.1 R12.1 R13.1 R14.2 R17.1 R18.1 R30.2 R31.2 R47.2 U1.20 U1.31 U1.42 U1.50 U1.56 U2.6 U2.8 U3.8 U4.E4 U4.E7 U4.F1 U4.J2 U4.L6 U4.L15 U4.L16 U4.M9 U4.M13 U4.N10 U4.P7 U4.R14 U4.T11 U5.1 U7.40 U9.A1 U9.A3
+3V3/+1V8: C45.2 C46.2 C47.2 C48.2 C49.2 C50.2 C51.2 U4.M3 U4.R4 U4.T1 U9.B1
+5V: C81.2 C82.2 C83.2 C84.2 CNT2.1 CNT2.50 CNT3.1 CNT3.50 CNT4.1 CNT4.50 CNT5.1 CNT5.50 S1.C U7.4 U7.9 U7.23 U7.24 U7.25 U7.35 U7.36
A2: CNT5.39 U4.A2
A3: CNT5.45 U4.A3
A4: CNT5.6 U4.A4
A5: CNT5.5 U4.A5
A6: CNT5.3 U4.A7
ADC_IN_N: C55.1 R21.1 U4.J7
ADC_IN_P: C55.2 R20.1 U4.H8
ADD0: U4.D10 U6.N3
ADD1: U4.C8 U6.P7
ADD2: U4.C9 U6.P3
ADD3: U4.A8 U6.N2
ADD4: U4.A9 U6.P8
ADD5: U4.B9 U6.P2
ADD6: U4.A10 U6.R8
ADD7: U4.B10 U6.R2
ADD8: U4.B11 U6.T8
ADD9: U4.B12 U6.R3
ADD10: U4.A12 U6.L7
ADD11: U4.D8 U6.R7
ADD12: U4.D9 U6.N7
ADD13: U4.A13 U6.T3
ADD14: U4.A14 U6.T7
AGND: C37.2 C52.1 C53.1 C54.2 CNT4.36 L4.2 U4.G7 U4.H7 U5.3
B1: CNT5.15 U4.B1
B2: CNT5.40 U4.B2
B4: CNT5.46 U4.B4
B5: CNT5.48 U4.B5
B6: CNT5.49 U4.B6
B7: CNT5.2 U4.B7
BA0: U4.F12 U6.M2
BA1: U4.F13 U6.N8
BA2: U4.E16 U6.M3
BVUS: CNT1.A4_B9 CNT1.B4_A9 R8.2 S1.A
C1: CNT5.14 U4.C1
C2: CNT5.12 U4.C2
C3: CNT5.11 U4.C3
C4: CNT5.33 U4.C4
C6: CNT5.9 U4.C6
C7: CNT5.8 U4.C7
C\A\S\: U4.E15 U6.K3
C\S\: U4.D16 U6.L2
CK_N: U4.F14 U6.K7
CK_P: U4.G14 U6.J7
CKE: U4.H16 U6.K9
CONFIG_TCK: CNT4.30 R19.6 U1.19
CONFIG_TDI: CNT4.21 R19.8 U1.17
CONFIG_TDO: CNT4.20 U1.16 U4.N8
CONFIG_TMS: CNT4.31 R19.7 U1.18
D1: CNT5.36 U4.D1
D3: CNT5.18 U4.D3
D4: CNT5.34 U4.D4
D5: CNT5.42 U4.D5
D6: CNT5.43 U4.D6
D\D\R\_\R\E\S\E\T\: U4.H13 U6.T2
D_n: CNT1.A7 CNT1.B7 D1.K U1.7
D_p: CNT1.A6 CNT1.B6 D2.K U1.8
DONE: CNT4.23 R14.1 R15.2 U4.H10
DQ0: U4.C14 U6.E3
DQ1: U4.B14 U6.F7
DQ2: U4.B15 U6.F2
DQ3: U4.A15 U6.F8
DQ4: U4.G16 U6.H3
DQ5: U4.J15 U6.H8
DQ6: U4.J16 U6.G2
DQ7: U4.H14 U6.H7
DQ8: U4.G15 U6.D7
DQ9: U4.G11 U6.C3
DQ10: U4.E12 U6.C8
DQ11: U4.E13 U6.C2
DQ12: U4.E11 U6.A7
DQ13: U4.D11 U6.A2
DQ14: U4.D14 U6.B8
DQ15: U4.D15 U6.A3
E1: CNT5.24 U4.E1
E2: CNT5.37 U4.E2
E3: CNT5.17 U4.E3
E5: CNT5.21 U4.E5
E6: CNT4.40 U4.E6
EEPROM_CLK: R5.1 U1.62 U2.2
EEPROM_CS: R6.1 U1.63 U2.1
EEPROM_DATA: R9.2 U1.61 U2.3
Enable_CH1y5: R24.1 R27.2 U7.5 U7.37
Enable_CH3: R25.1 R28.2 U7.48
Enable_CH4: R26.1 R29.2 U7.14
F2: CNT5.23 U4.F2
F3: CNT5.30 U4.F3
F4: CNT5.31 U4.F4
F5: CNT5.20 U4.F5
G1: CNT3.36 U4.G1
G2: CNT3.37 U4.G2
G4: CNT5.27 U4.G4
G5: CNT5.28 U4.G5
GND: C1.1 C2.1 C3.1 C4.1 C5.1 C6.1 C7.1 C8.1 C9.2 C10.1 C11.1 C12.1 C13.1 C14.1 C15.1 C16.1 C17.1 C18.1 C19.1 C20.1 C21.1 C22.1 C23.1 C24.1 C25.1 C26.1 C27.1 C28.1 C29.1 C30.1 C31.1 C32.1 C33.1 C34.1 C35.1 C36.1 C38.1 C39.1 C40.1 C41.1 C42.1 C43.1 C44.1 C45.1 C46.1 C47.1 C48.1 C49.1 C50.1 C51.1 C56.1 C57.1 C58.1 C59.1 C60.1 C61.1 C62.1 C63.1 C64.1 C65.1 C66.1 C67.1 C68.1 C69.1 C70.1 C71.1 C72.1 C73.1 C74.1 C75.1 C76.1 C77.1 C78.1 C79.1 C80.1 C81.1 C82.1 C83.1 C84.1 C86.1 C87.1 C88.1 C90.1 C91.1 C92.1 C94.1 C95.1 C97.1 C98.1 C99.1 C100.1 C101.1 C102.1 C103.2 CNT1.A1_B12 CNT1.B1_A12 CNT1.SH1 CNT1.SH2 CNT1.SH3 CNT1.SH4 CNT2.4 CNT2.10 CNT2.16 CNT2.22 CNT2.29 CNT2.35 CNT2.41 CNT2.47 CNT3.4 CNT3.10 CNT3.16 CNT3.22 CNT3.29 CNT3.35 CNT3.41 CNT3.47 CNT4.4 CNT4.10 CNT4.16 CNT4.22 CNT4.29 CNT4.35 CNT4.41 CNT4.47 CNT5.4 CNT5.10 CNT5.16 CNT5.22 CNT5.29 CNT5.35 CNT5.41 CNT5.47 D1.A D2.A D3.C D4.C D5.C D6.C D7.C D8.C D9.C D10.C D11.C L4.1 R1.2 R2.2 R7.1 R10.1 R23.1 R27.1 R28.1 R29.1 R31.1 R34.1 R35.2 R38.1 R41.1 R44.1 R45.1 R48.2 S2.3 S2.4 U1.1 U1.5 U1.10 U1.11 U1.13 U1.15 U1.25 U1.35 U1.47 U1.51 U1.60 U2.5 U3.4 U3.9 U4.A1 U4.A11 U4.B8 U4.C5 U4.C15 U4.D2 U4.D12 U4.E9 U4.F6 U4.F8 U4.F10 U4.F16 U4.G3 U4.G9 U4.G13 U4.H6 U4.J9 U4.J11 U4.K4 U4.K6 U4.K7 U4.K8 U4.K14 U4.L1 U4.L11 U4.M8 U4.M10 U4.M11 U4.N5 U4.N15 U4.P2 U4.P12 U4.R9 U4.T6 U4.T16 U6.A9 U6.B1 U6.B3 U6.B9 U6.D1 U6.D8 U6.E1 U6.E2 U6.E8 U6.F9 U6.G1 U6.G8 U6.G9 U6.J2 U6.J8 U6.M1 U6.M9 U6.P1 U6.P9 U6.T1 U6.T9 U7.2 U7.11 U7.13 U7.17 U7.18 U7.19 U7.30 U7.38 U7.49 U8.1 U8.3 U9.B2 XTAL1.2
H1: CNT3.21 U4.H1
H2: CNT3.20 U4.H2
H3: CNT3.30 U4.H3
H4: CNT3.18 U4.H4
H5: CNT3.17 U4.H5
IN_Filter_ADC_N: CNT4.18 R21.2
IN_Filter_ADC_P: CNT4.17 R20.2
J1: CNT3.24 U4.J1
J3: CNT3.31 U4.J3
J4: CNT3.33 U4.J4
J5: CNT3.34 U4.J5
K1: CNT3.23 U4.K1
K2: CNT4.12 U4.K2
K3: CNT4.11 U4.K3
K5: CNT4.39 U4.K5
L2: CNT3.27 U4.L2
L3: CNT3.28 U4.L3
L4: CNT3.2 U4.L4
L5: CNT4.28 U4.L5
LDM: U4.C16 U6.E7
LDQS_N: U4.C11 U6.G3
LDQS_P: U4.B16 U6.F3
LED0: CNT4.2 R46.1 U4.K12
LED1: CNT4.3 R46.2 U4.L14
LED2: CNT4.48 R46.3 U4.M14
LED3: CNT4.49 R46.4 U4.K13
LED4: CNT4.6 R46.5 U4.L13
LED5: CNT4.5 R46.6 U4.M12
LED6: CNT4.45 R46.7 U4.M16
LED7: CNT4.46 R46.8 U4.N16
M1: CNT3.48 U4.M1
M2: CNT3.49 U4.M2
M4: CNT3.3 U4.M4
M6: CNT2.17 U4.M6
M15: CNT2.49 U4.M15
N1: CNT3.46 U4.N1
N2: CNT3.6 U4.N2
N3: CNT3.5 U4.N3
N4: CNT3.42 U4.N4
N5: CNT3.43 U4.M5
N6: CNT2.18 U4.N6
N9: CNT2.37 U4.N9
N11: CNT2.8 U4.N11
N12: CNT2.9 U4.N12
N13: CNT2.46 U4.N13
NetC16_2: C16.2 U1.3 XTAL1.1
NetC17_2: C17.2 U1.2 XTAL1.3
NetC85_1: C85.1 U7.32
NetC85_2: C85.2 U7.33 U7.34 U8.7
NetC88_2: C88.2 R32.1
NetC89_1: C89.1 U7.28
NetC89_2: C89.2 U7.26 U7.27 U8.5
NetC92_2: C92.2 R36.1
NetC93_1: C93.1 U7.1
NetC93_2: C93.2 L7.1 U7.3
NetC95_2: C95.2 R39.1
NetC96_1: C96.1 U7.12
NetC96_2: C96.2 U7.10
NetC98_2: C98.2 R42.1
NetC100_2: C100.2 U7.42
NetCNT1_A5: CNT1.A5 R2.1
NetCNT1_B5: CNT1.B5 R1.1
NetD3_A: D3.A R15.1
NetD4_A: D4.A R46.16
NetD5_A: D5.A R46.15
NetD6_A: D6.A R46.14
NetD7_A: D7.A R46.13
NetD8_A: D8.A R46.12
NetD9_A: D9.A R46.11
NetD10_A: D10.A R46.10
NetD11_A: D11.A R46.9
NetL5_1: L5.1 U8.8
NetL5_2: L5.2 R30.1
NetL6_1: L6.1 U8.6
NetL6_2: L6.2 R33.1
NetL7_2: L7.2 R37.1
NetL8_2: L8.2 R40.1
NetR3_1: R3.1 U1.14 U1.36
NetR4_1: R4.1 R9.1 U2.4
NetR7_2: R7.2 U1.6
NetR8_1: R8.1 R10.2 U1.46
NetR16_1: R16.1 U4.J13
NetR16_2: R16.2 U4.J14
NetR16_3: R16.3 U4.K15
NetR16_4: R16.4 U4.K16
NetR17_2: R17.2 U4.K10
NetR19_1: R19.1 U4.N7
NetR19_2: R19.2 U4.M7
NetR19_3: R19.3 U4.L7
NetR32_2: R32.2 U7.39
NetR35_1: R35.1 U7.29 U8.4
NetR36_2: R36.2 U7.22
NetR39_2: R39.2 U7.46
NetR42_2: R42.2 U7.15
NetR43_1: R43.1 U7.7
NetR45_2: R45.2 U7.41
NetR48_1: R48.1 U6.L8
NetU7_31: U7.31 U8.2
ODT: U4.G12 U6.K1
P1: CNT3.45 U4.P1
P3: CNT3.9 U4.P3
P4: CNT3.8 U4.P4
P5: CNT4.27 U4.P5
P8: CNT2.34 U4.P8
P9: CNT2.36 U4.P9
P10: CNT2.43 U4.P10
P11: CNT2.42 U4.P11
P13: CNT2.45 U4.P13
P14: CNT2.48 U4.P14
PROGRAM_B: CNT4.24 R18.2 U4.L9
QSPI_\C\S\: R13.2 U3.1 U4.L12
QSPI_CCLK: U3.6 U4.E8
QSPI_DATA0: R16.8 U3.5
QSPI_DATA1: R16.7 U3.2
QSPI_DATA2: R11.2 R16.6 U3.3
QSPI_DATA3: R12.2 R16.5 U3.7
R1: CNT3.12 U4.R1
R2: CNT3.11 U4.R2
R3: CNT3.40 U4.R3
R5: CNT2.23 U4.R5
R6: CNT2.28 U4.R6
R7: CNT2.27 U4.R7
R8: CNT2.33 U4.R8
R10: CNT2.14 U4.R10
R11: CNT2.15 U4.R11
R12: CNT2.11 U4.R12
R13: CNT2.40 U4.R13
R15: CNT2.2 U4.R15
R16: CNT2.3 U4.R16
R\A\S\: U4.F15 U6.J3
RESET: CNT4.42 R47.1 S2.1 S2.2 U4.P6
T2: CNT3.39 U4.T2
T3: CNT3.15 U4.T3
T4: CNT3.14 U4.T4
T5: CNT2.24 U4.T5
T7: CNT2.20 U4.T7
T8: CNT2.21 U4.T8
T9: CNT2.31 U4.T9
T10: CNT2.30 U4.T10
T12: CNT2.12 U4.T12
T13: CNT2.39 U4.T13
T14: CNT2.5 U4.T14
T15: CNT2.6 U4.T15
UART_RX: CNT4.9 U1.52 U4.P16
UART_TX: CNT4.8 U1.48 U4.P15
UDM: U4.C13 U6.D3
UDQS_N: U4.D13 U6.B7
UDQS_P: U4.C12 U6.C7
VCORE: C9.1 C12.2 C13.2 C14.2 U1.12 U1.37 U1.49 U1.64
VPHY: C1.2 C2.2 C3.2 C4.2 L1.2 U1.4
VPLL: C5.2 C6.2 C7.2 C8.2 L2.2 U1.9
VREG: C102.2 U7.43 U7.44 U7.47
VSelect: CNT4.34 U9.B3
W\E\: U4.H11 U6.L3
pads on no net: CNT1. CNT1.A8 CNT1.B8 L8.1 R19.4 R19.5 U1.21 U1.22 U1.23 U1.24 U1.26 U1.27 U1.28 U1.29 U1.30 U1.32 U1.33 U1.34 U1.38 U1.39 U1.40 U1.41 U1.43 U1.44 U1.45 U1.53 U1.54 U1.55 U1.57 U1.58 U1.59 U2.7 U4.A6 U4.B3 U4.D7 U4.H12 U6.J1 U6.J9 U6.L1 U6.L9 U6.M7 U7.20
copper on no net: | length 118.6
  Top Layer w0.254: 25.813,183.346 54.134,183.346 55.531,184.743 ; 55.531,158.327 55.531,184.743 ; 55.531,201.126 55.531,184.743 ; 98.33,191.22 91.853,184.743 55.531,184.743

## Silkscreen, mask and mechanical layers (free items; w line width, h text height)
Mechanical 1:
  lines w0.254: 62.851,127 63,126.851 ; 25,82 90,82 90,127 25,127 25,82